# Altium PCB temp_monitor.PcbDoc
Units mil, origin at the board's own origin, x right, y up, seen from the top; angles counter-clockwise.
Board outline 2045 x 2560 mil, 2 copper layers (Top Layer, Bottom Layer); 17 components, 10 nets, 62 pads, 4 vias.
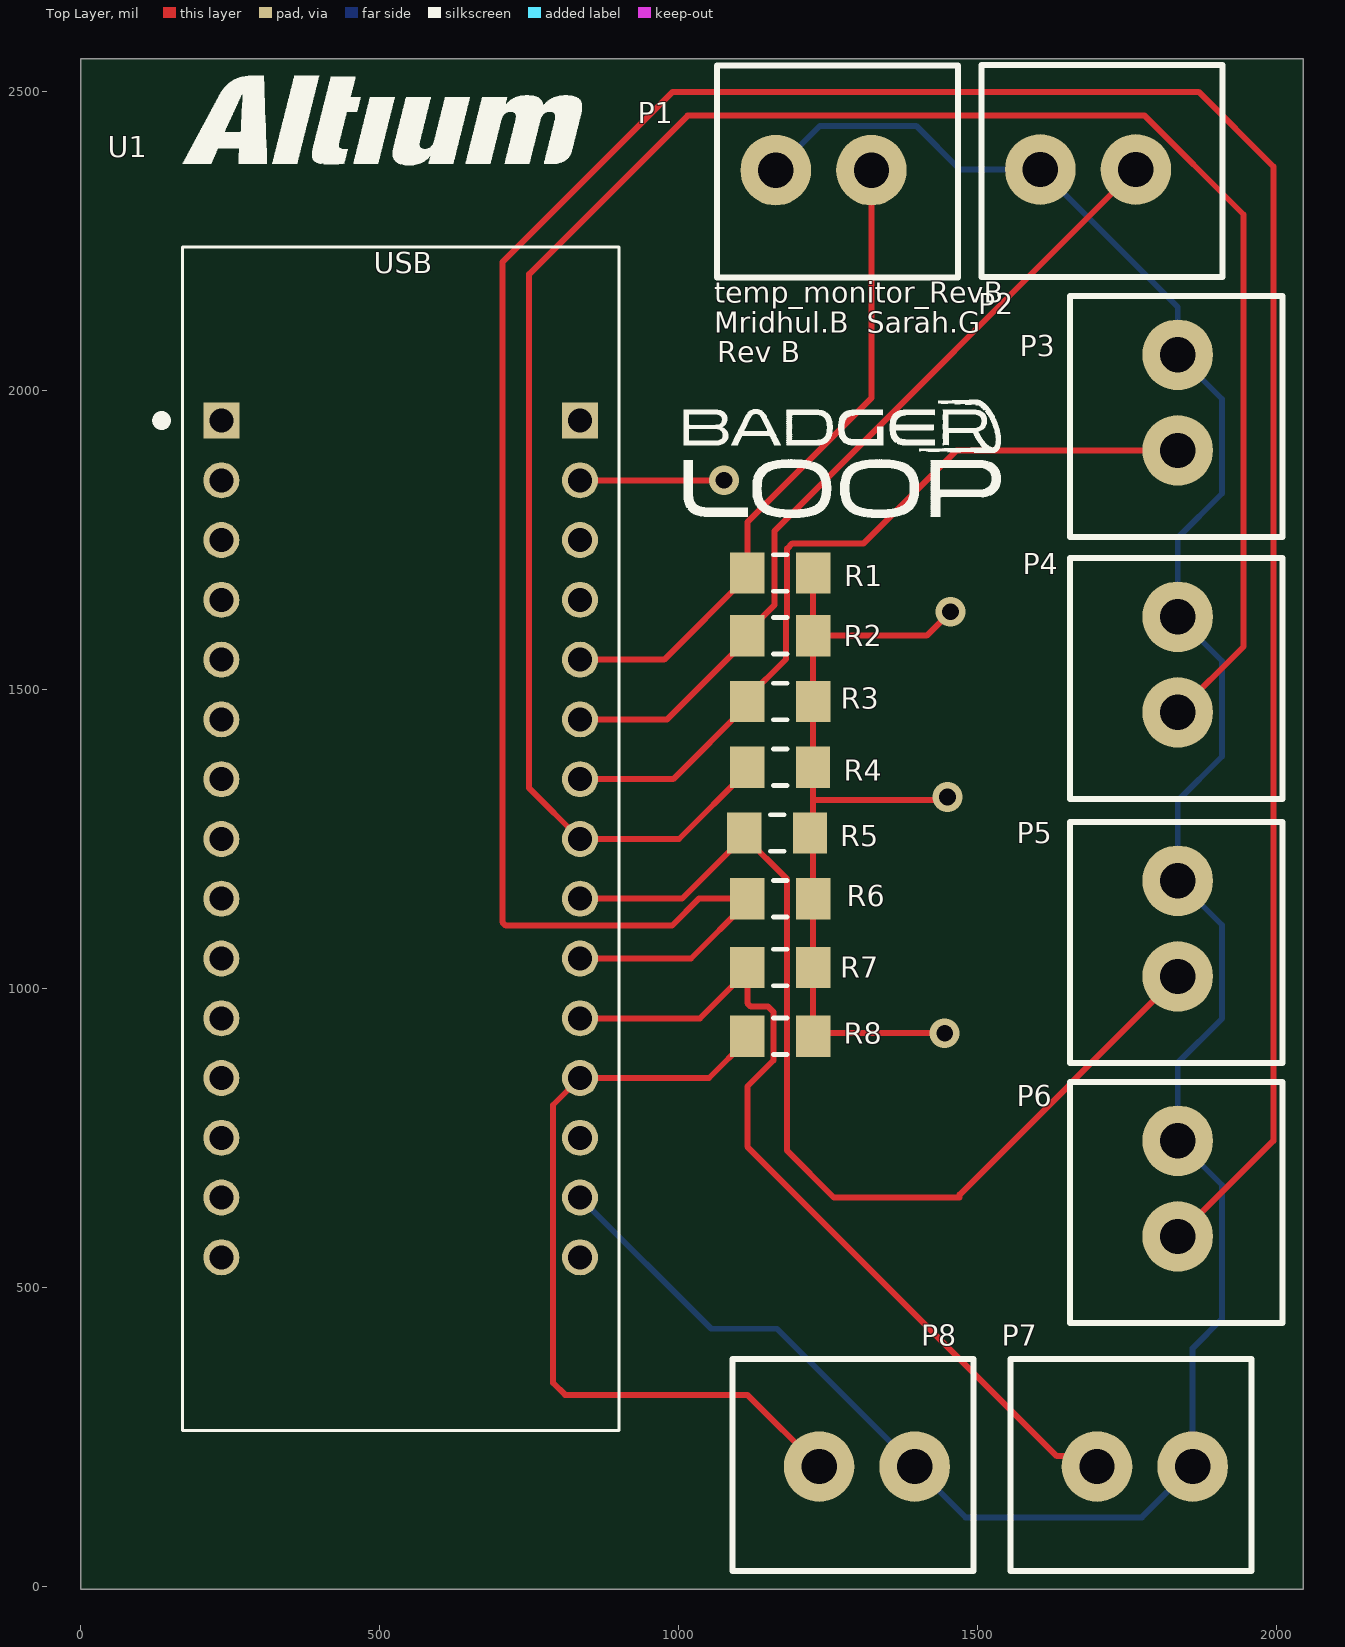
[diagram p0: Top Layer view]
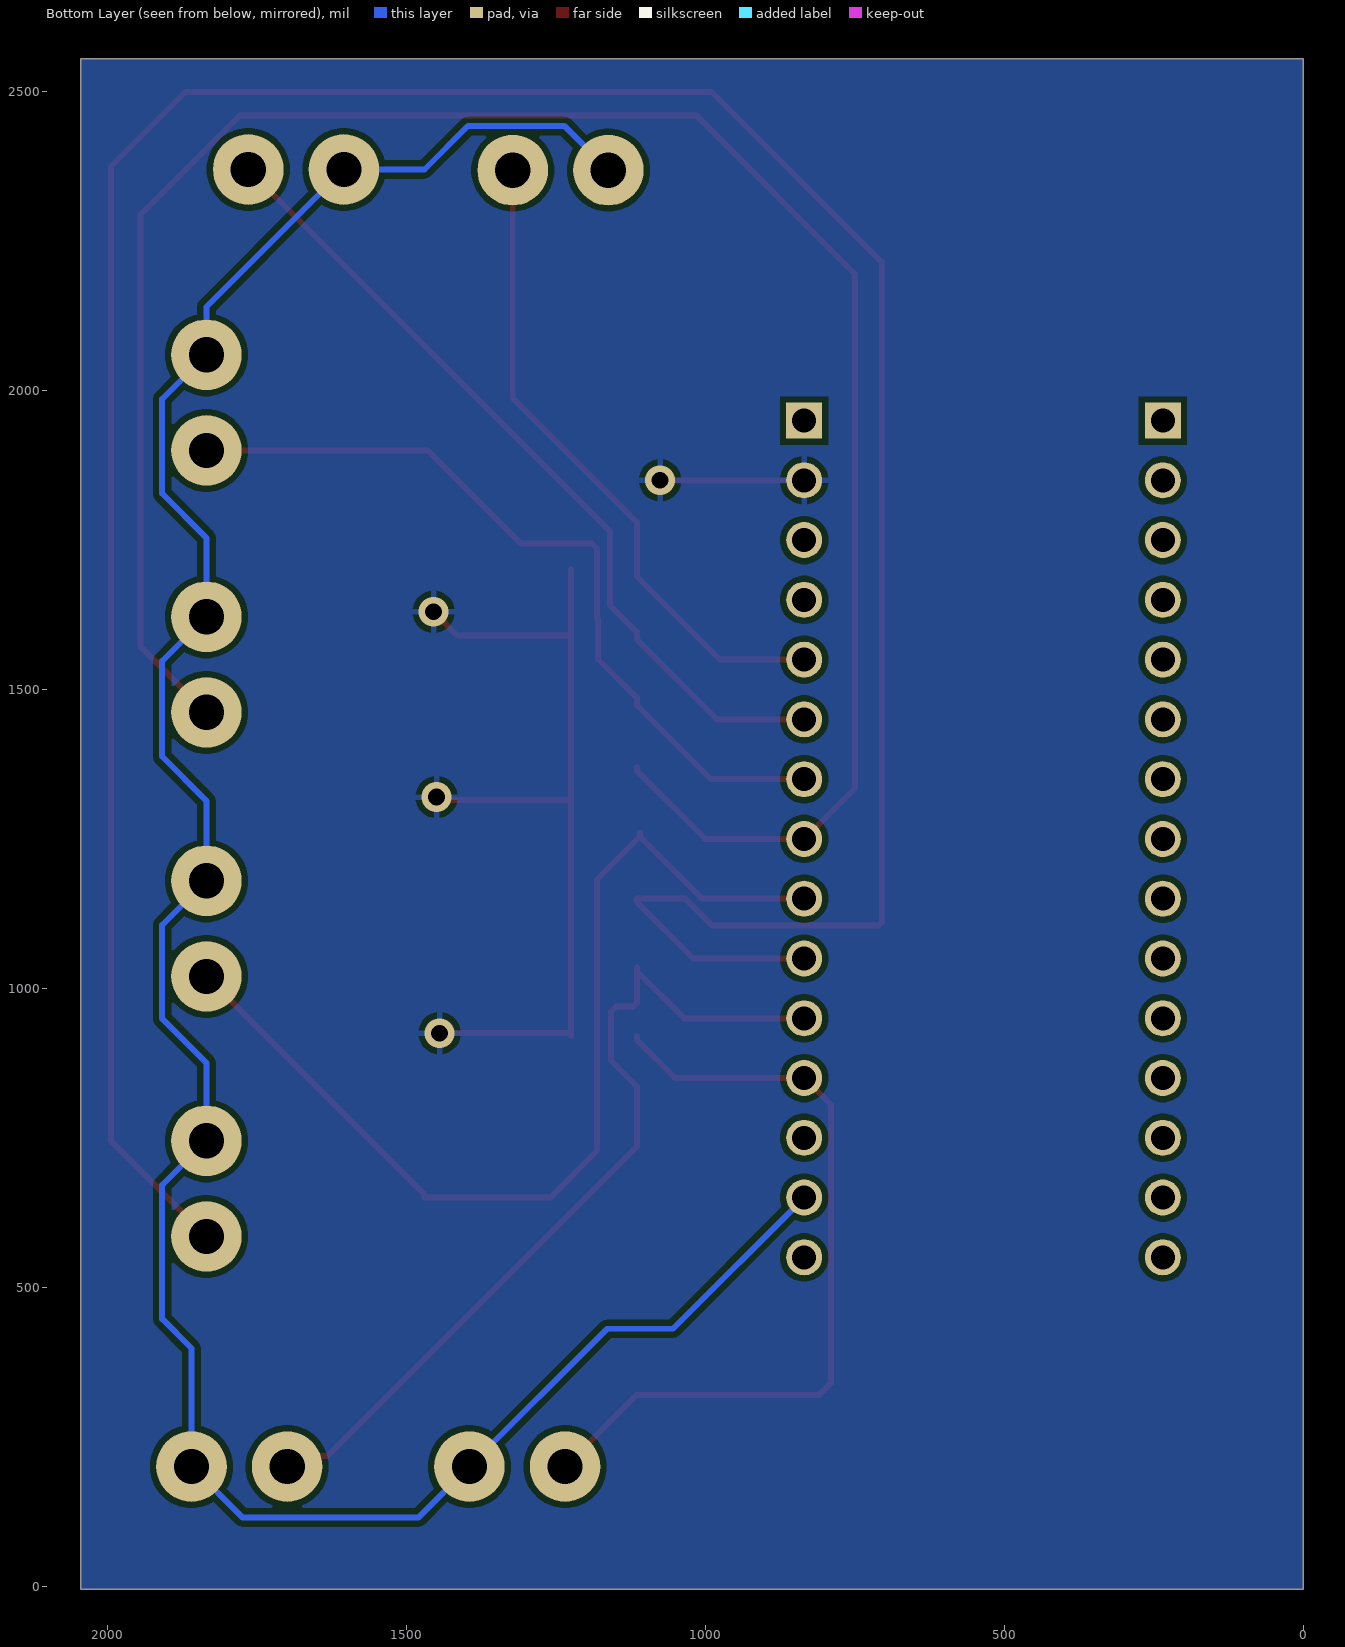
[diagram p1: Bottom Layer view, seen from below]
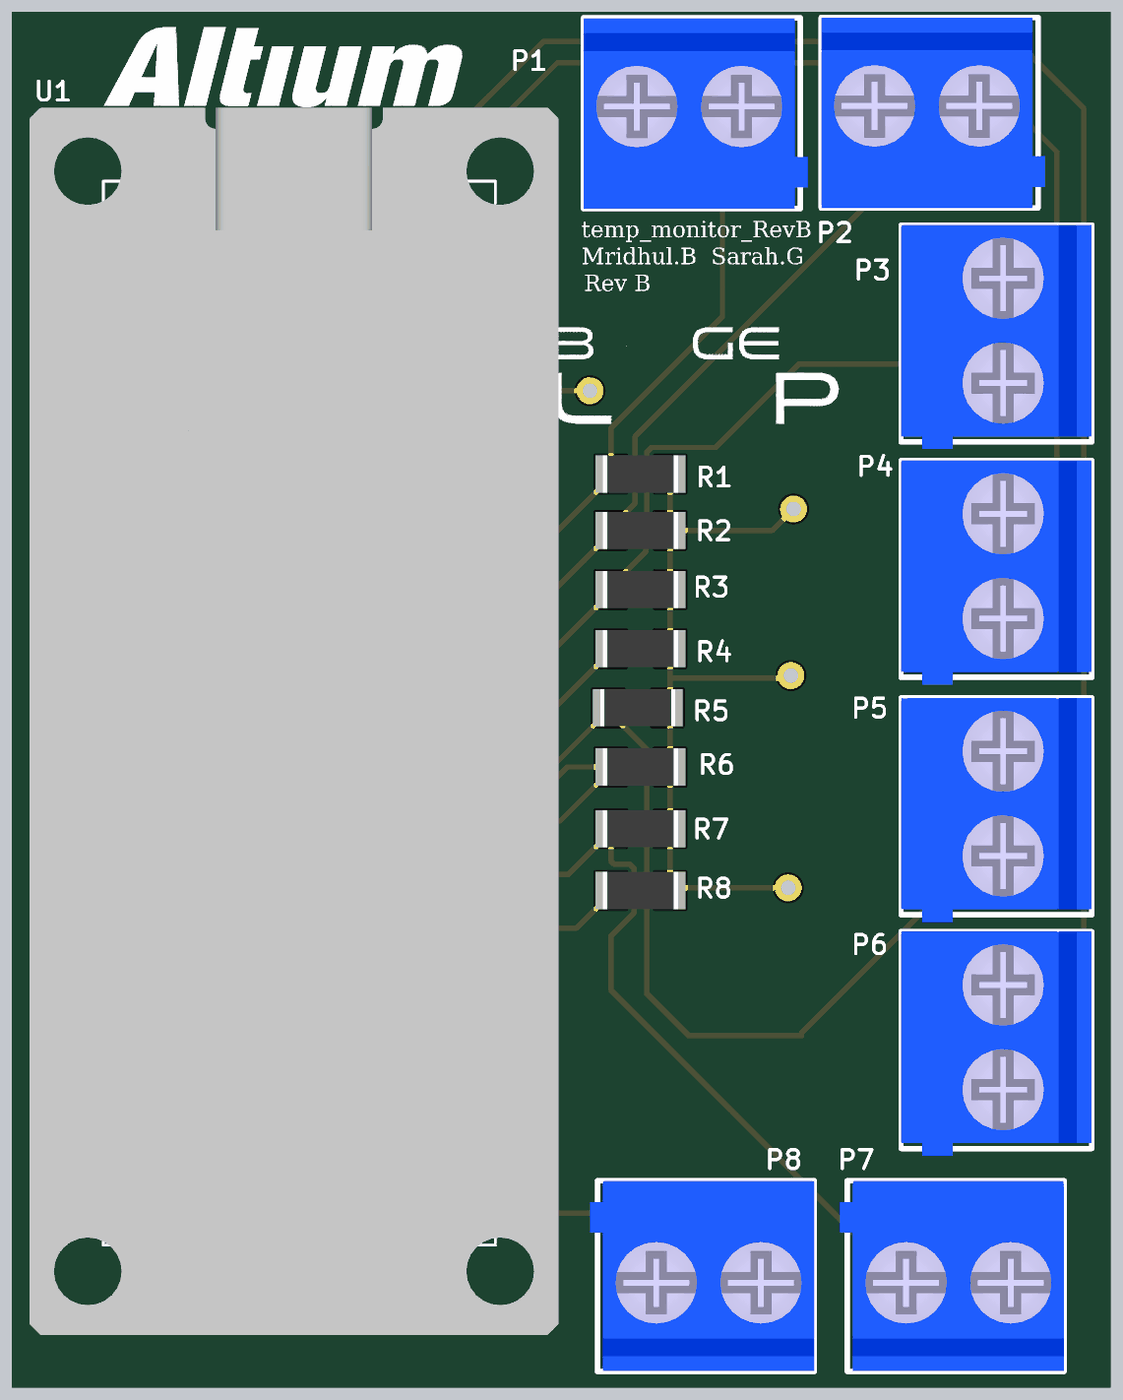
[diagram p2: 3D render of the assembled board from above, using the file's embedded part models]

## Layer stack, top to bottom
Top Solder: solder mask 0.4, Solder Resist, Dk 3.5
Top Layer: signal copper 1.4
Dielectric 1: dielectric 12.6, FR-4, Dk 4.8
Bottom Layer: signal copper 1.4
Bottom Solder: solder mask 0.4, Solder Resist, Dk 3.5

## Board outline
0,-5 2045,-5 2045,2555 0,2555

## Design rules (kind name [scope] priority, off if disabled: settings)
Clearance [All] p1: gap=10 ignorepadtopadclearanceinfootprint=FALSE except(0: Arc-Hole Track-Hole SMDPad-Hole THPad-Hole Via-Hole Fill-Hole Poly-Hole Region-Hole Text-Hole)
PolygonConnect [All] p1: connectstyle=Relief reliefconductorwidth=10 reliefentries=4 polygonreliefangle="90 Angle" airgapwidth=10
RoutingVias [All] p1: holewidth=28 width=50 viastyle="Through Hole" minholewidth=28 minwidth=50 maxholewidth=28 maxwidth=50
SilkToSilkClearance [All] p1: silktosilkclearance=5
SilkToSolderMaskClearance [IsPad] p1: minsilkscreentomaskgap=5 clearancetoexposedcopper=TRUE
SolderMaskExpansion [All] p1: expansion=4 istentingtop=FALSE
Width [All] p1: maxlimit=10 minlimit=10 preferedwidth=10
28 further rules are at their usual default settings.

## Components (designator, comment, footprint, x,y, rotation, side; value= is the part's Value field where it differs from the comment)
P1 "Screw Terminal 2x1" "2POS TERM BLOCK" 1162.52,2368.9 r0 top
P2 "Screw Terminal 2x1" "2POS TERM BLOCK" 1605,2370 r0 top
P3 "Screw Terminal 2x1" "2POS TERM BLOCK" 1835,2060 r270 top
P4 "Screw Terminal 2x1" "2POS TERM BLOCK" 1835,1621.73 r270 top
P5 "Screw Terminal 2x1" "2POS TERM BLOCK" 1835,1180 r270 top
P6 "Screw Terminal 2x1" "2POS TERM BLOCK" 1835,745 r270 top
P7 "Screw Terminal 2x1" "2POS TERM BLOCK" 1860,200 r180 top
P8 "Screw Terminal 2x1" "2POS TERM BLOCK" 1395,200 r180 top
R1 "TNPW12066K90BEEN" SMD-1206-RES 1170,1695 r180 top
R2 "TNPW12066K90BEEN" SMD-1206-RES 1170,1590 r180 top
R3 "TNPW12066K90BEEN" SMD-1206-RES 1170,1480 r180 top
R4 "TNPW12066K90BEEN" SMD-1206-RES 1169.88,1370 r180 top
R5 "TNPW12066K90BEEN" SMD-1206-RES 1164.88,1260 r180 top
R6 "TNPW12066K90BEEN" SMD-1206-RES 1170,1150 r180 top
R7 "TNPW12066K90BEEN" SMD-1206-RES 1170,1035 r180 top
R8 "TNPW12066K90BEEN" SMD-1206-RES 1170,920 r180 top
U1 "NUCLEO-L432KC" NUCLEO-L432KC 235,1950 r0 top

## Footprints (in the part's own frame and the unit in brackets; to place one, negate y for a bottom-side part, rotate by r counter-clockwise, add the part's x,y. Pads: shape width x height; smd on the part's side, far side on the other; paste and mask are expansions set on the pad)
"2POS TERM BLOCK" [mm] "5mm Pitch"
  round 3 hole 1.5: 1(0,0) 2(4.064,0)
  silkscreen extent -2.5,-4.57 7.75,4.44, body extent -2.51,-4.57 8.09,4.43, height 12.6
NUCLEO-L432KC [mm]
  rect 1.53x1.53 hole 1.02: 3.1(0,0) 4.1(15.24,0)
  round 1.53 hole 1.02: 3.2(0,-2.54) 3.3(0,-5.08) 3.4(0,-7.62) 3.5(0,-10.16) 3.6(0,-12.7) 3.7(0,-15.24) 3.8(0,-17.78) 3.9(0,-20.32) 3.10(0,-22.86) 3.11(0,-25.4) 3.12(0,-27.94) 3.13(0,-30.48) 3.14(0,-33.02) 3.15(0,-35.56) 4.2(15.24,-2.54) 4.3(15.24,-5.08) 4.4(15.24,-7.62) 4.5(15.24,-10.16) 4.6(15.24,-12.7) 4.7(15.24,-15.24) 4.8(15.24,-17.78) 4.9(15.24,-20.32) 4.10(15.24,-22.86) 4.11(15.24,-25.4) 4.12(15.24,-27.94) 4.13(15.24,-30.48) 4.14(15.24,-33.02) 4.15(15.24,-35.56)
  silkscreen extent -2.74,-42.92 16.89,7.36, body extent -5.13,-47.16 19.87,10.84, height 6.96
SMD-1206-RES [mm]
  rect 1.45x1.75 smd: 1(-1.4,0) 2(1.4,0)
  silkscreen extent -0.3,-0.77 0.3,0.77, body extent -1.78,-0.87 1.78,0.87, height 0.5

## Part data
P1 P2 P3 P4 P5 P6 P7 P8: "Screw Terminal, 2-Pin"
R1 R2 R3 R4 R5 R6 R7 R8: "Fixed Resistor, Thin Film, 0.25W, 6900ohm, 200V, 0.1% +/-Tol, 25ppm/Cel, Surface Mount, 1206", Manufacturer=Vishay, Manufacturer Part Number="6.9 kOhm", Manufacturer Series=TNPW, Max Operating Temperature=125°C, Min Operating Temperature=-55°C, Package Shape=Rectangular, Rated Power Dissipation (P)=250mW, Rated Temperature=70°C, Resistance=6.9kR, Resistor Type="FIXED RESISTOR", Supplier Part Number 1=71-TNPW12066K90BEEN, Temperature Coefficient=25ppm/°C, Tolerance=0.1%, Working Voltage=200V, Category="Chip SMD Resistors", ComponentLink1Description=https://datasheet.ciiva.com:443/pdfs/VipMasterIC/IC/DALE/DALES05753/DALES05753-1.pdf?src-supplier=IHS+Markit, ComponentLink1URL=https://datasheet.ciiva.com:443/pdfs/VipMasterIC/IC/DALE/DALES05753/DALES05753-1.pdf?src-supplier=IHS+Markit, ComponentLink2Description=http://www.mouser.com/ds/2/427/tnpw_e3-64594.pdf?src-supplier=Mouser, ComponentLink2URL=http://www.mouser.com/ds/2/427/tnpw_e3-64594.pdf?src-supplier=Mouser, ComponentLink3Description=http://www.vishay.com/docs/28758/tnpw_e3.pdf?src-supplier=Avnet, ComponentLink3URL=http://www.vishay.com/docs/28758/tnpw_e3.pdf?src-supplier=Avnet, JESD-609 Code=e3, Mount="Surface Mount", Number of Pins=2, Packaging="Tape and Reel", Pricing 1="1=0.92000, 10=0.82300, 50=0.82300, 100=0.62200, 1000=0.31000, 10000=0.30500 (USD)", REACH SVHC=Yes, RoHS=Yes, RoHS Compliant=Yes, Size Code=1206, Stock 1=672, Supplier 1=Mouser, Technology="THIN FILM", Terminal Finish=Tin, Termination=Wraparound
U1: "BOARD NUCLEO STM32F303K8T6", Manufacturer=STMicroelectronics, Supplier Part Number 1=497-15981-ND, ComponentLink1Description=http://www.farnell.com/datasheets/2064195.pdf?src-supplier=Farnell, ComponentLink1URL=http://www.farnell.com/datasheets/2064195.pdf?src-supplier=Farnell, ComponentLink2Description=http://www.st.com/content/ccc/resource/technical/document/data_brief/b1/d8/13/d4/b0/b7/4b/6e/DM00214578.pdf/files/DM00214578.pdf/jcr:content/translations/en.DM00214578.pdf?src-supplier=Digi-Key, ComponentLink2URL=http://www.st.com/content/ccc/resource/technical/document/data_brief/b1/d8/13/d4/b0/b7/4b/6e/DM00214578.pdf/files/DM00214578.pdf/jcr:content/translations/en.DM00214578.pdf?src-supplier=Digi-Key, ComponentLink3Description=http://www.farnell.com/datasheets/1966773.pdf?src-supplier=Element14, ComponentLink3URL=http://www.farnell.com/datasheets/1966773.pdf?src-supplier=Element14, ComponentLink4Description=http://www.farnell.com/datasheets/2064195.pdf?src-supplier=Newark, ComponentLink4URL=http://www.farnell.com/datasheets/2064195.pdf?src-supplier=Newark, ComponentLink5Description=http://www.st.com/st-web-ui/static/active/en/resource/technical/document/user_manual/DM00116575.pdf?s_searchtype=keyword&src-supplier=Avnet+Asia, ComponentLink5URL=http://www.st.com/st-web-ui/static/active/en/resource/technical/document/user_manual/DM00116575.pdf?s_searchtype=keyword&src-supplier=Avnet+Asia, ComponentLink6Description=http://www.st.com/st-web-ui/static/active/en/resource/technical/document/user_manual/DM00116575.pdf?s_searchtype=keyword&src-supplier=Avnet, ComponentLink6URL=http://www.st.com/st-web-ui/static/active/en/resource/technical/document/user_manual/DM00116575.pdf?s_searchtype=keyword&src-supplier=Avnet, ComponentLink7Description=http://www.farnell.com/datasheets/2064195.pdf?src-supplier=Element14, ComponentLink7URL=http://www.farnell.com/datasheets/2064195.pdf?src-supplier=Element14, Core Architecture=ARM, Evaluation Kit=Yes, Lead Free="Lead Free", Manufacturer Part Number=NUCLEO-L432KC, Number of Bits=32, Pricing 1="1=10.99000 (USD)", Pricing 2="1=12.40000 (USD)", REACH SVHC="No SVHC", RoHS=Yes, Stock 1=171, Stock 2=56, Supplier 1=Digi-Key, Supplier 2=Newark, Supplier Part Number 2=96Y9505

## Via types
v1: diameter 50, hole 28, Top Layer to Bottom Layer, 4 vias

## Nets (pads, with @x,y where several pads share a name; then routed paths per layer and width w, separated by ;. In a path a pad name is that pad's centre, name@x,y a point inside that pad or via, vN(x,y) a via of type N, cw(c..) or ccw(c..) an arc to the next point about the centre after c; other vN are vias at no path point)
GND: R1.1 R2.1 R3.1 R4.1 R5.1 R6.1 R7.1 R8.1 U1.4.2 | length 1717.3
  Top Layer w10: U1.4.2 v1(1076.02,1850) ; R1.1@1225.12,1700.91 R1.1 R2.1 ; v1(1445,925) 1230.12,925 R8.1 R7.1 R6.1 1225.12,1315 ; v1(1450,1320) 1445,1315 1225.12,1315 ; v1(1455,1630) 1415,1590 R2.1 ; 1225.12,1315 R3.1 R2.1
NetP1_1: P1.1 P2.1 P3.1 P4.1 P5.1 P6.1 P7.1 P8.1 U1.4.14 | length 4285.5
  Bottom Layer w10: U1.4.14 1054.46,430.54 1164.46,430.54 P8.1 1480,115 1775,115 P7.1 1860,397.94 1909.06,446.99 1909.06,670.94 P6.1 1835,875.44 1909.06,949.49 1909.06,1105.94 P5.1 1835,1313.8 1909.06,1387.86 1909.06,1547.67 P4.1 1835,1753.8 1909.06,1827.86 1909.06,1985.94 P3.1 1835,2140 P2.1 1470.27,2370 1397.32,2442.95 1236.57,2442.95 P1.1
NetP1_2: P1.2 R1.2 U1.4.5 | length 1103.3
  Top Layer w10: U1.4.5 975.79,1550 1114.88,1689.09 R1.2 1114.88,1779.88 1322.52,1987.52 P1.2
NetP2_2: P2.2 R2.2 U1.4.6 | length 1390.6
  Top Layer w10: U1.4.6 980.79,1450 1114.88,1584.09 R2.2 1114.88,1595.91 1160,1641.02 1160,1765 P2.2
NetP3_2: P3.2 R3.2 U1.4.7 | length 1342
  Top Layer w10: U1.4.7 990.79,1350 1114.88,1474.09 R3.2 1114.88,1485.91 1180,1551.02 1180,1619.09 1181.57,1620.66 1181.57,1735.66 1190.36,1744.45 1309.45,1744.45 1465,1900 P3.2
NetP4_2: P4.2 R4.2 U1.4.8 | length 3564.9
  Top Layer w10: R4.2 1114.76,1364.09 1000.67,1250 U1.4.8 750,1335 750,2195 1015,2460 1779.73,2460 1945,2294.73 1945,1571.73 P4.2
NetP5_2: P5.2 R5.2 U1.4.9 | length 1716.3
  Top Layer w10: U1.4.9 1005.67,1150 R5.2@1109.76,1254.09 ; R5.2 R5.2@1109.76,1254.09 ; 1470,650 1260,650 1181.57,728.43 1181.57,1182.28 R5.2@1109.76,1254.09 ; 1470,655 P5.2
NetP6_2: P6.2 R6.2 U1.4.10 | length 5176.1
  Top Layer w10: U1.4.10 1020.79,1050 1114.88,1144.09 R6.2 1033.95,1150 988.84,1104.88 710.86,1104.88 705,1110.74 705,2215 990,2500 1870,2500 1995,2375 1995,745 P6.2
NetP7_2: P7.2 R7.2 U1.4.11 | length 1472.3
  Top Layer w10: U1.4.11 1035.79,950 R7.2@1114.88,1029.09 ; R7.2 R7.2@1114.88,1029.09 ; P7.2 1682.64,217.36 1632.64,217.36 1114.88,735.12 1114.88,835.79 1158.43,879.34 1158.43,960.66 1149.64,969.45 1120.74,969.45 1114.88,975.31 R7.2@1114.88,1029.09
NetP8_2: P8.2 R8.2 U1.4.12 | length 1344.1
  Top Layer w10: R8.2 1114.88,914.09 1050.79,850 U1.4.12 789.88,804.88 789.88,340.12 810,320 1115,320 P8.2
pads on no net: U1.3.1 U1.3.2 U1.3.3 U1.3.4 U1.3.5 U1.3.6 U1.3.7 U1.3.8 U1.3.9 U1.3.10 U1.3.11 U1.3.12 U1.3.13 U1.3.14 U1.3.15 U1.4.1 U1.4.3 U1.4.4 U1.4.13 U1.4.15

## Polygon pours and split planes (outlines as drawn)
GND on Bottom Layer "GND_L02_P000" (solid, pour order 0): 0,-5 2045,-5 2045,2555 0,2555

## Silkscreen, mask and mechanical layers (free items; w line width, h text height)
Top Overlay:
  drawing of 16 lines, arcs and shapes, not listed
  text "temp_monitor_RevB" at 1060,2135.65 h60
  text "Mridhul.B  Sarah.G" at 1060,2085.55 h60
  text "Rev B" at 1065,2035.55 h60
Mechanical 4:
  the board outline again, w47.24

## Text inside footprints (layer, text, board x,y; h text height)
U1: Top Overlay "USB" at 490,2185 h60